# Altium PCB RP2350.PcbDoc (part 1 of 2)
Units mm, origin at the board's own origin, x right, y up, seen from the top; angles counter-clockwise.
Board outline 164 x 114 mm, 8 copper layers (Top Layer, Power, Inner 1, Inner 2, Inner 3, Inner 4, Ground, Bottom Layer), stack 1.564 mm thick; 56 components, 77 nets, 279 pads, 27 vias.
Unrouted connection lines stored in the file: 147.
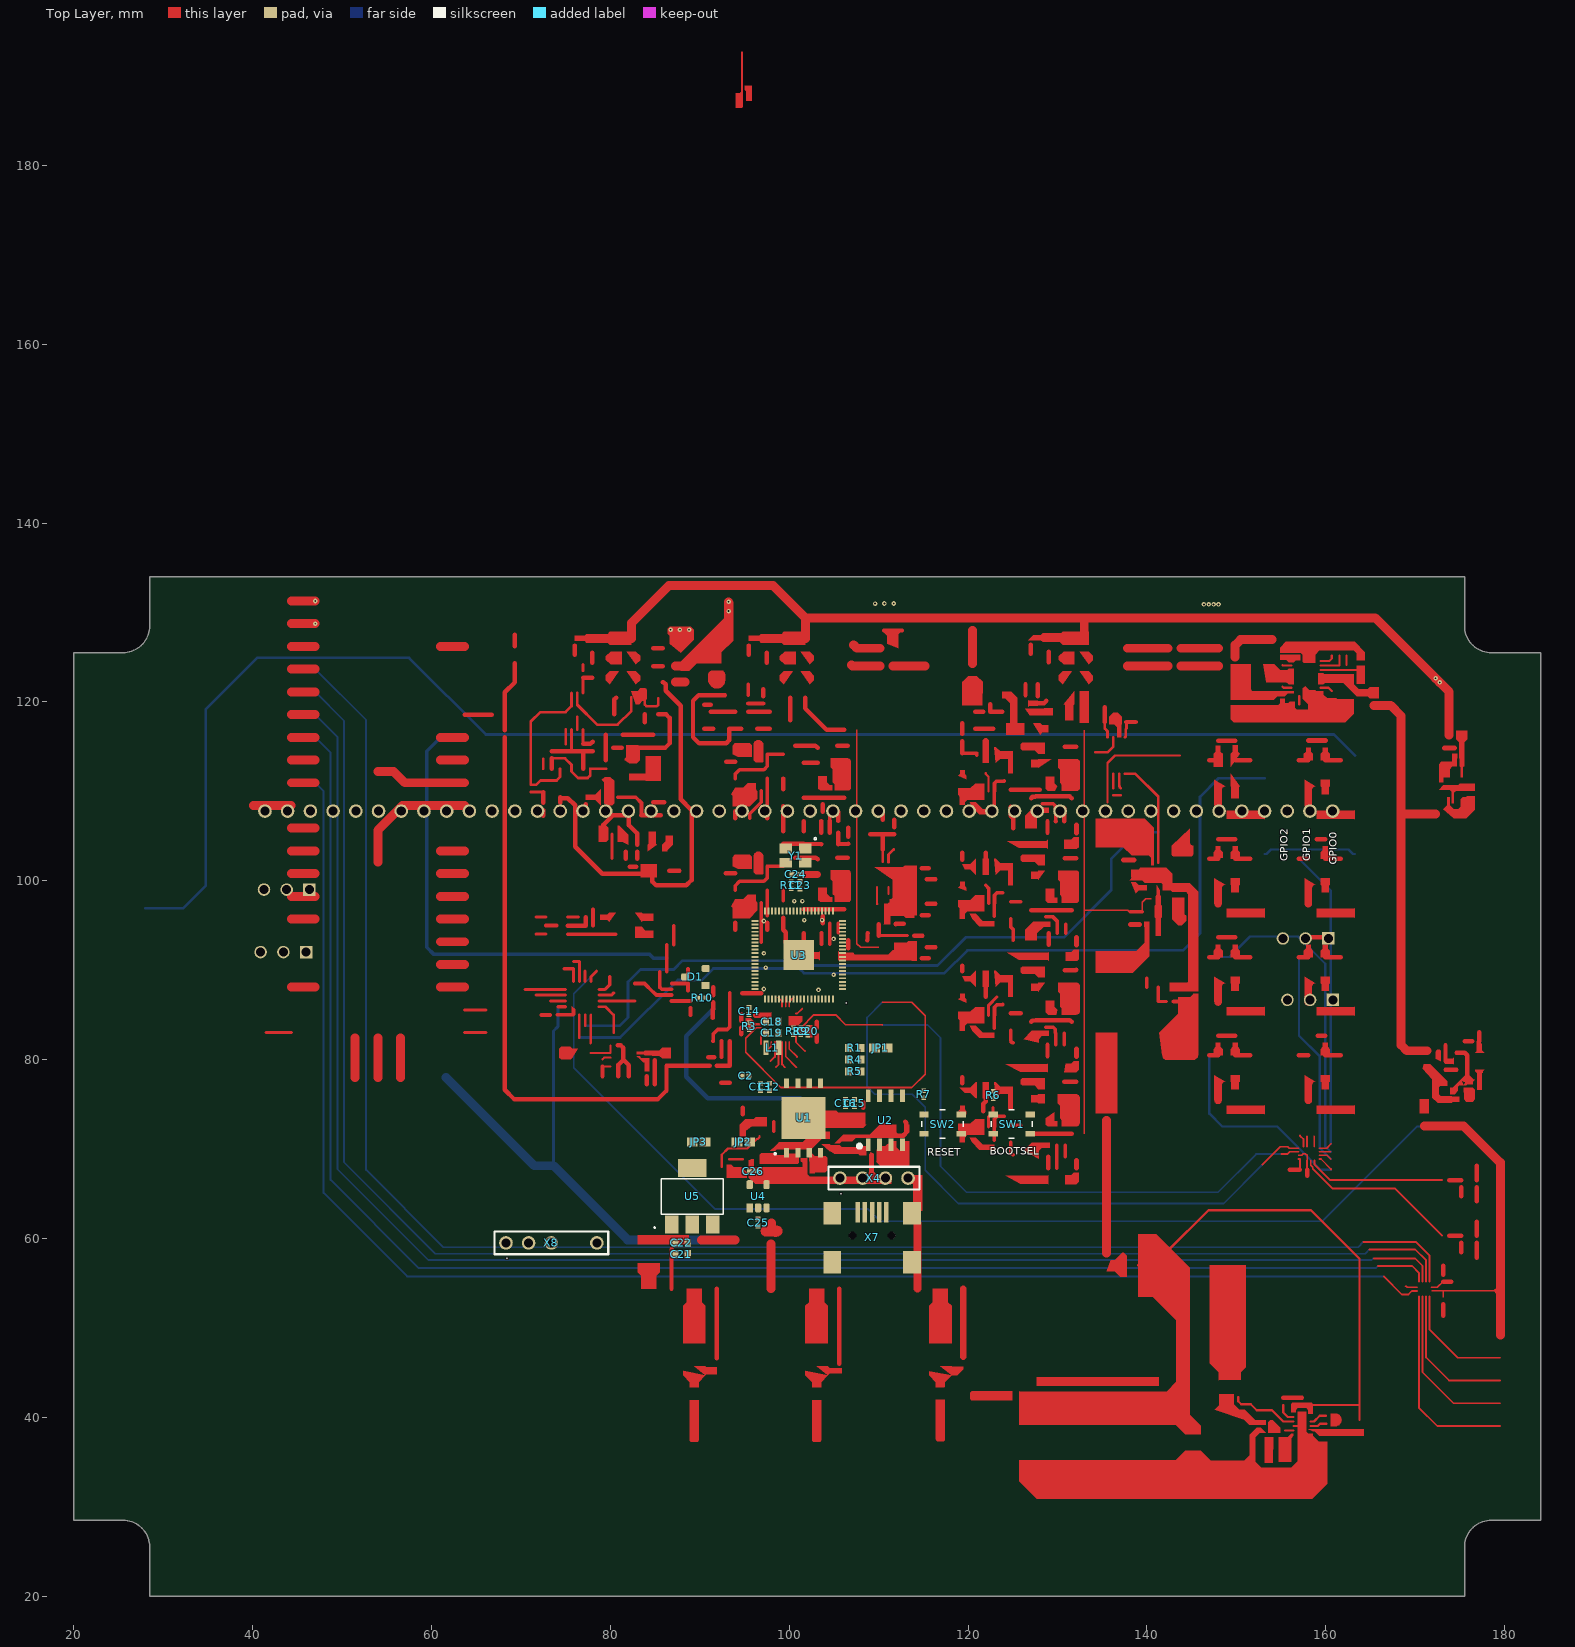
[diagram p0: Top Layer view]
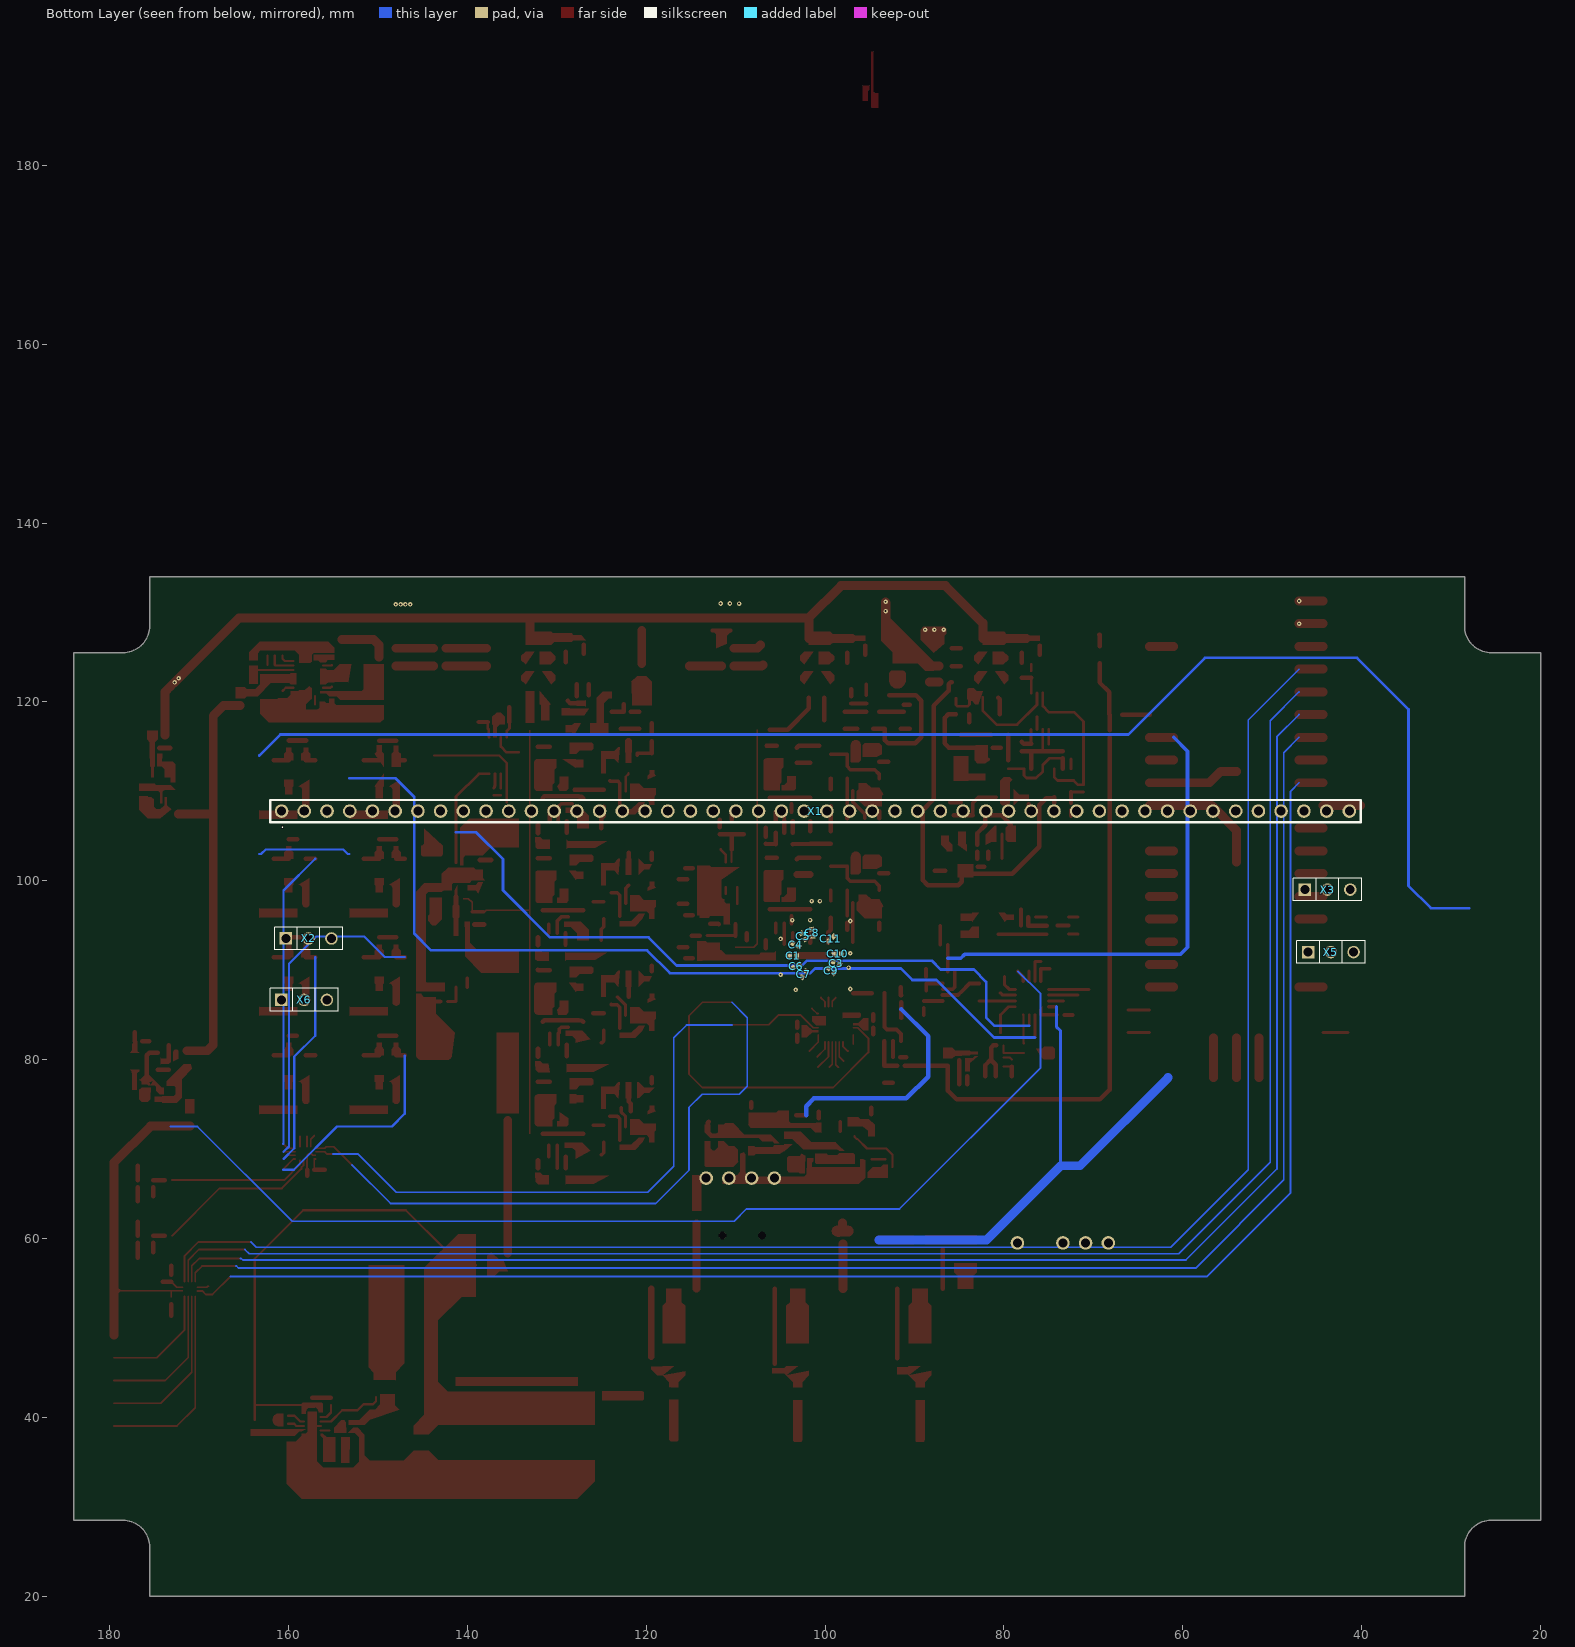
[diagram p1: Bottom Layer view, seen from below]
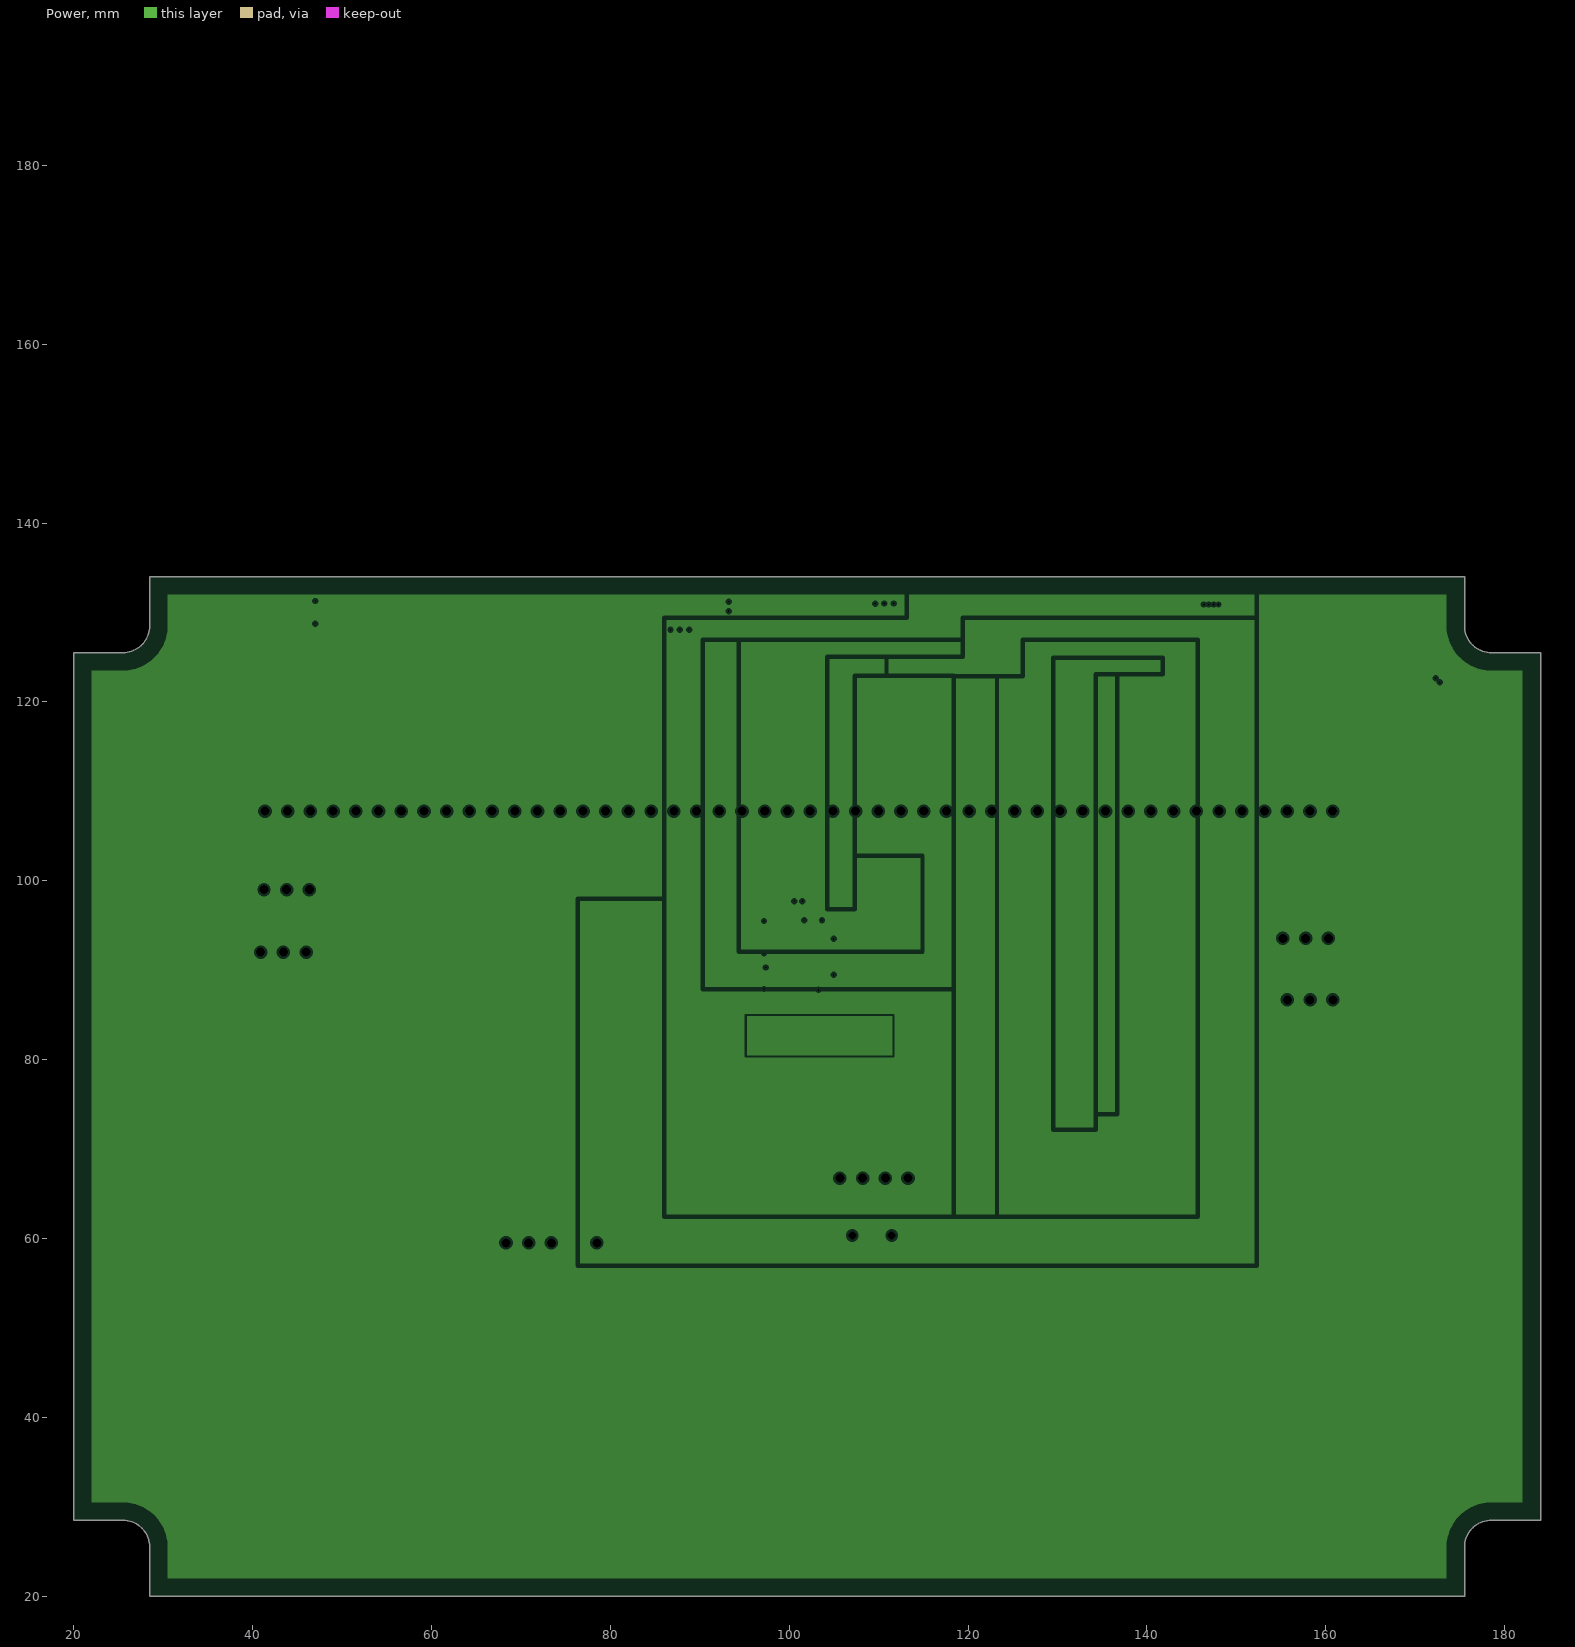
[diagram p2: Power, clearances drawn from the general rule]
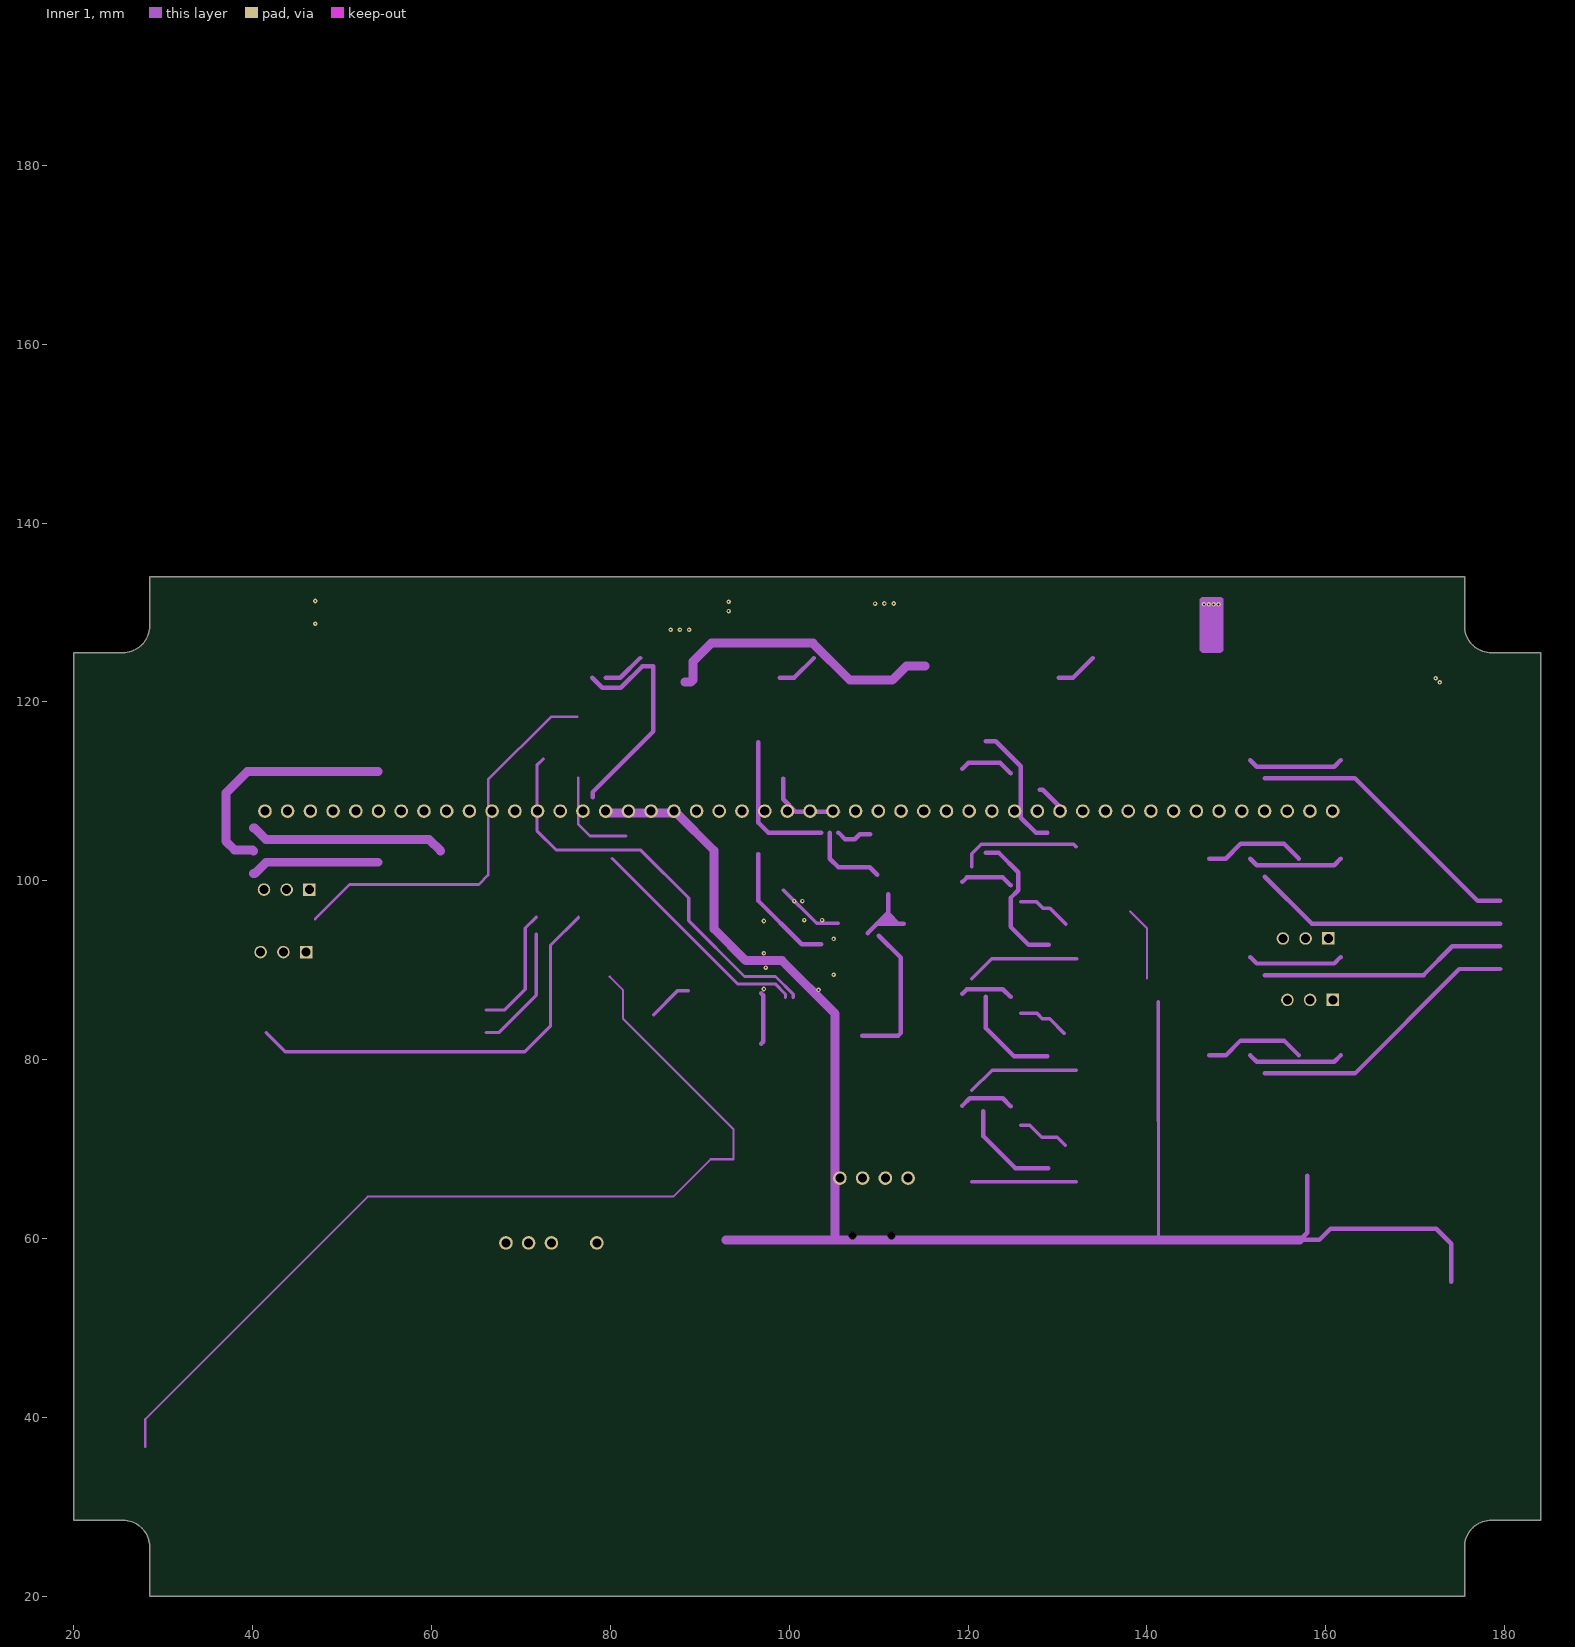
[diagram p3: Inner 1]
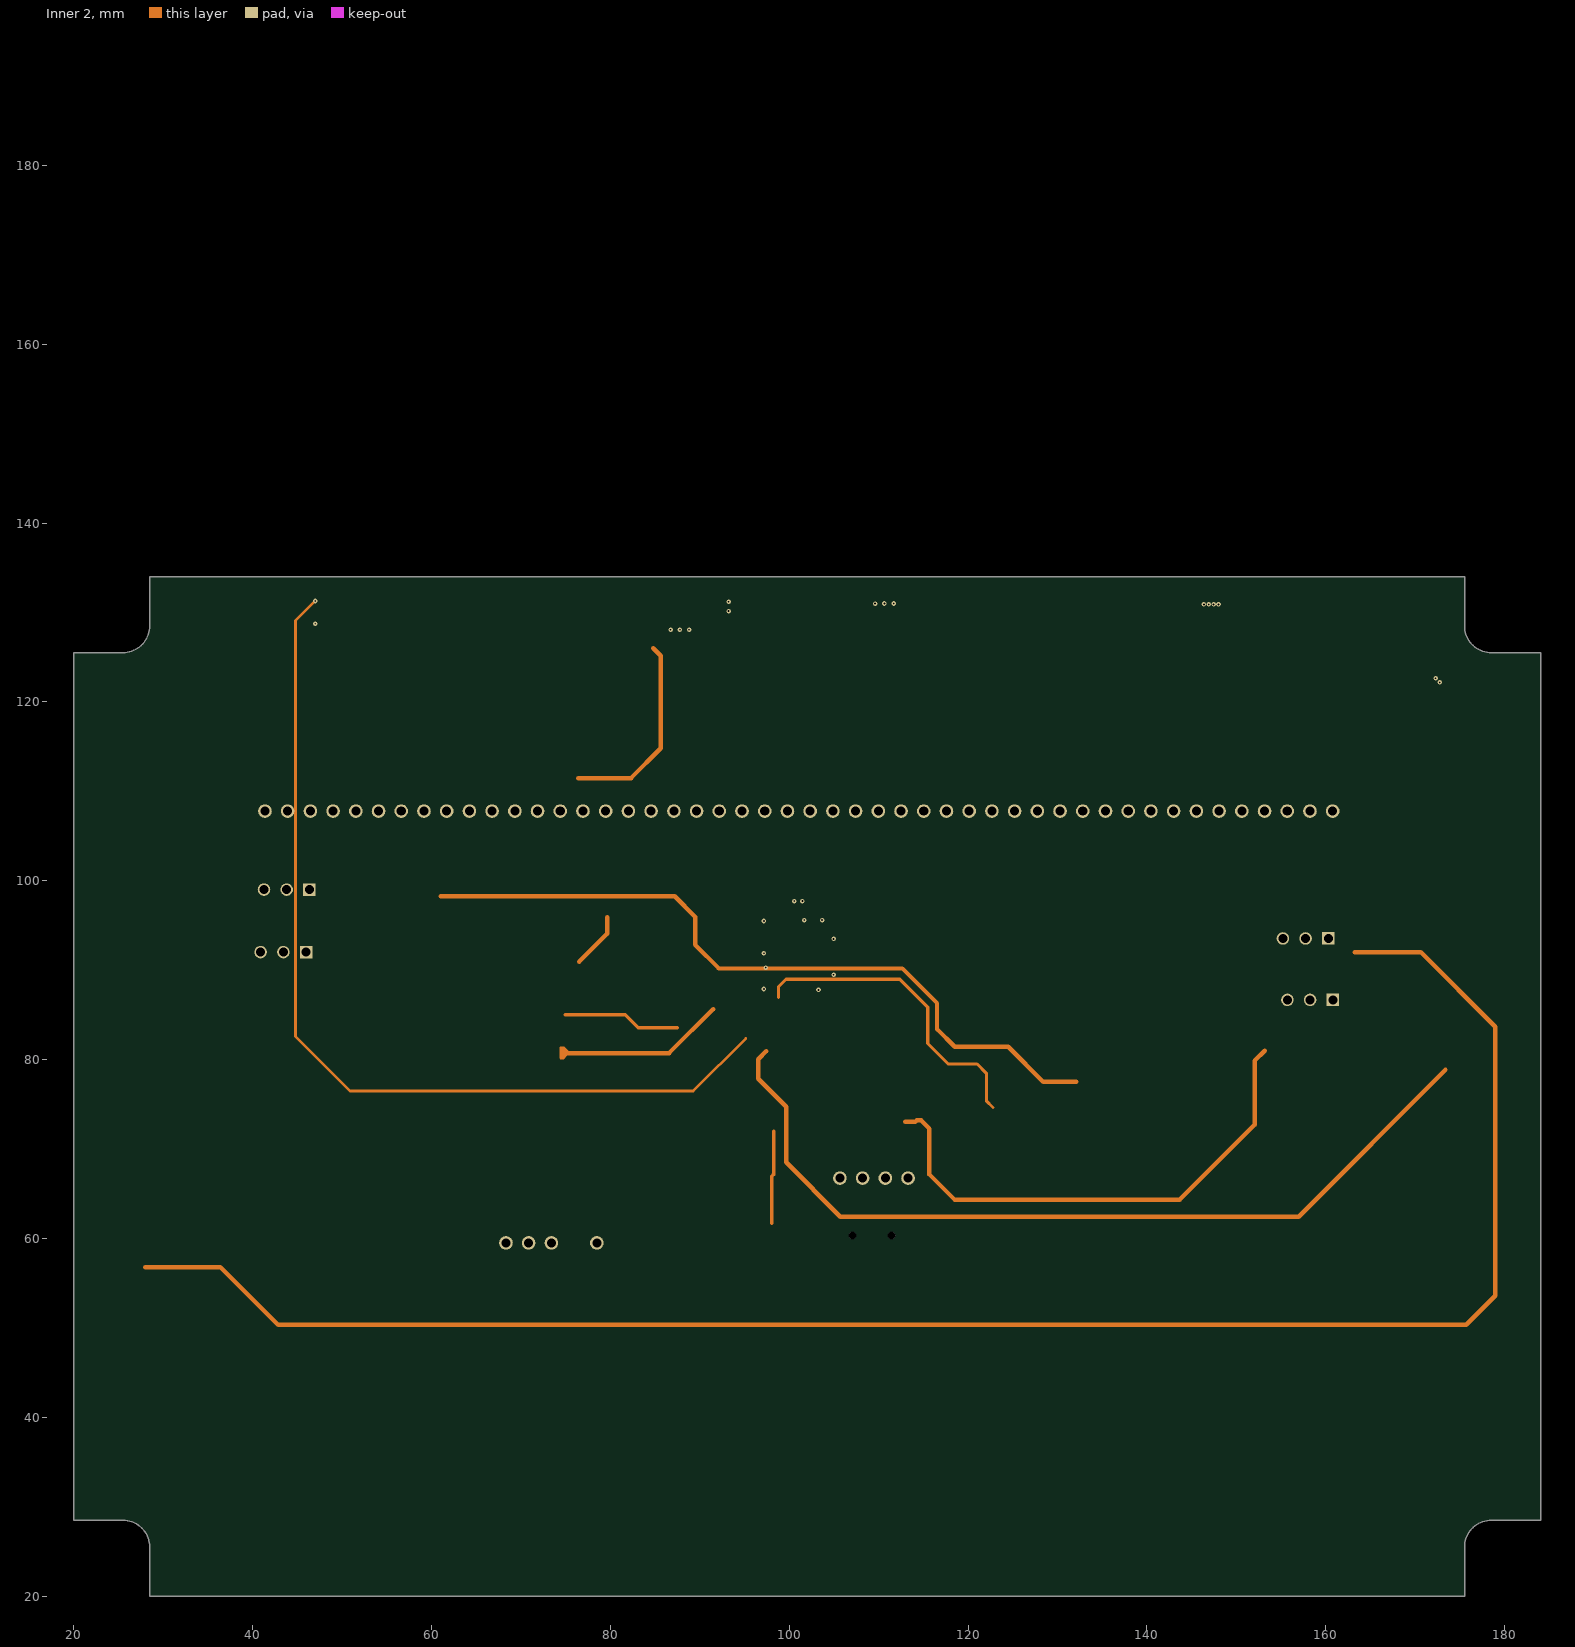
[diagram p4: Inner 2]
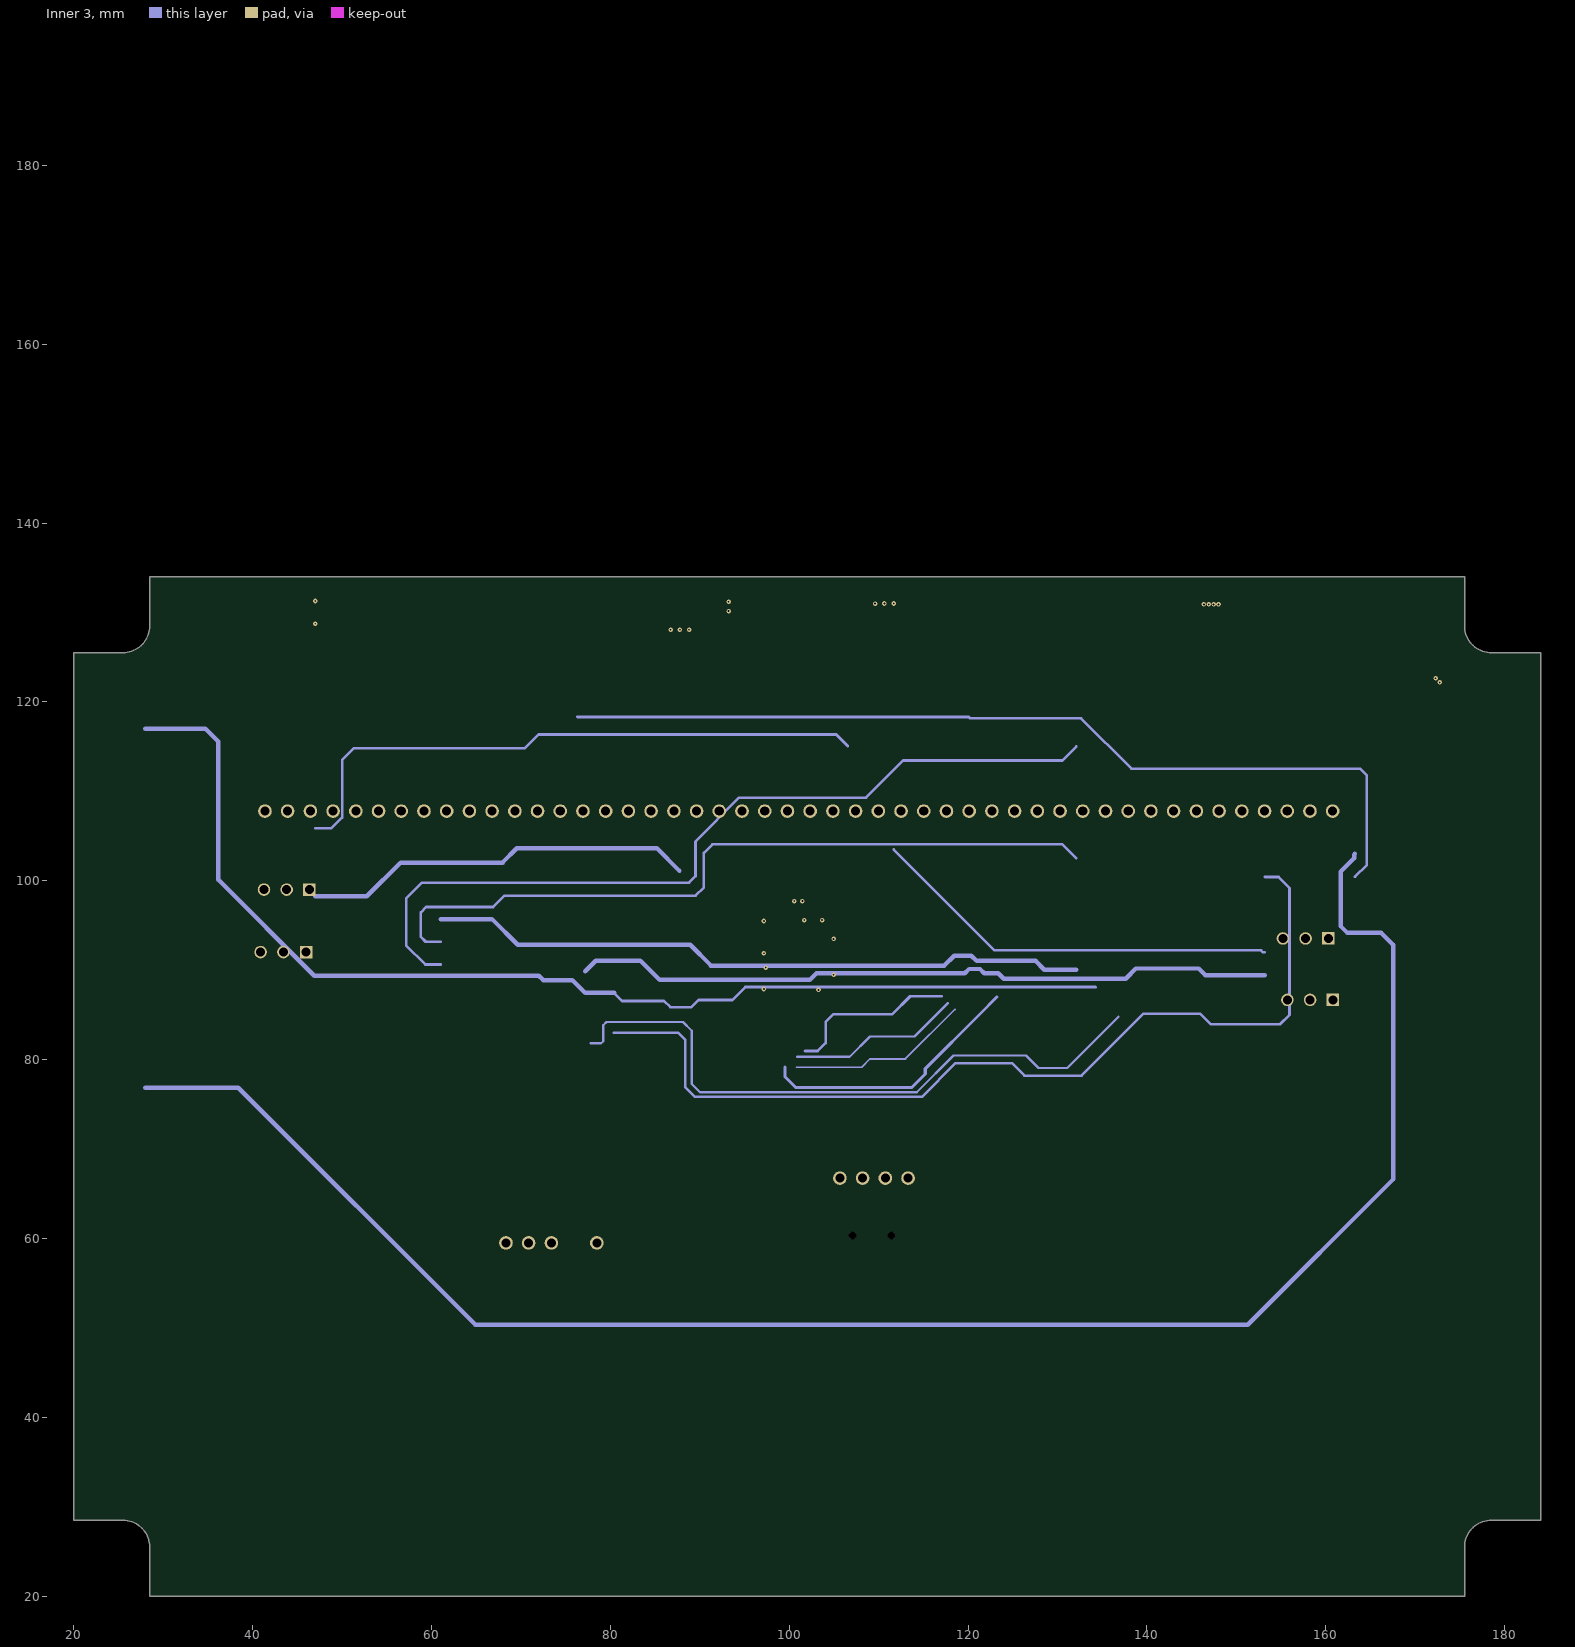
[diagram p5: Inner 3]